# Altium PCB ISS_LAB_PCB.PcbDoc (part 7 of 8)
Units mm, origin at the board's own origin, x right, y up, seen from the top; angles counter-clockwise.
Board outline 247.67 x 135.97 mm, 2 copper layers (Top Layer, Bottom Layer); 165 components, 0 nets, 6045 pads, 3214 vias.
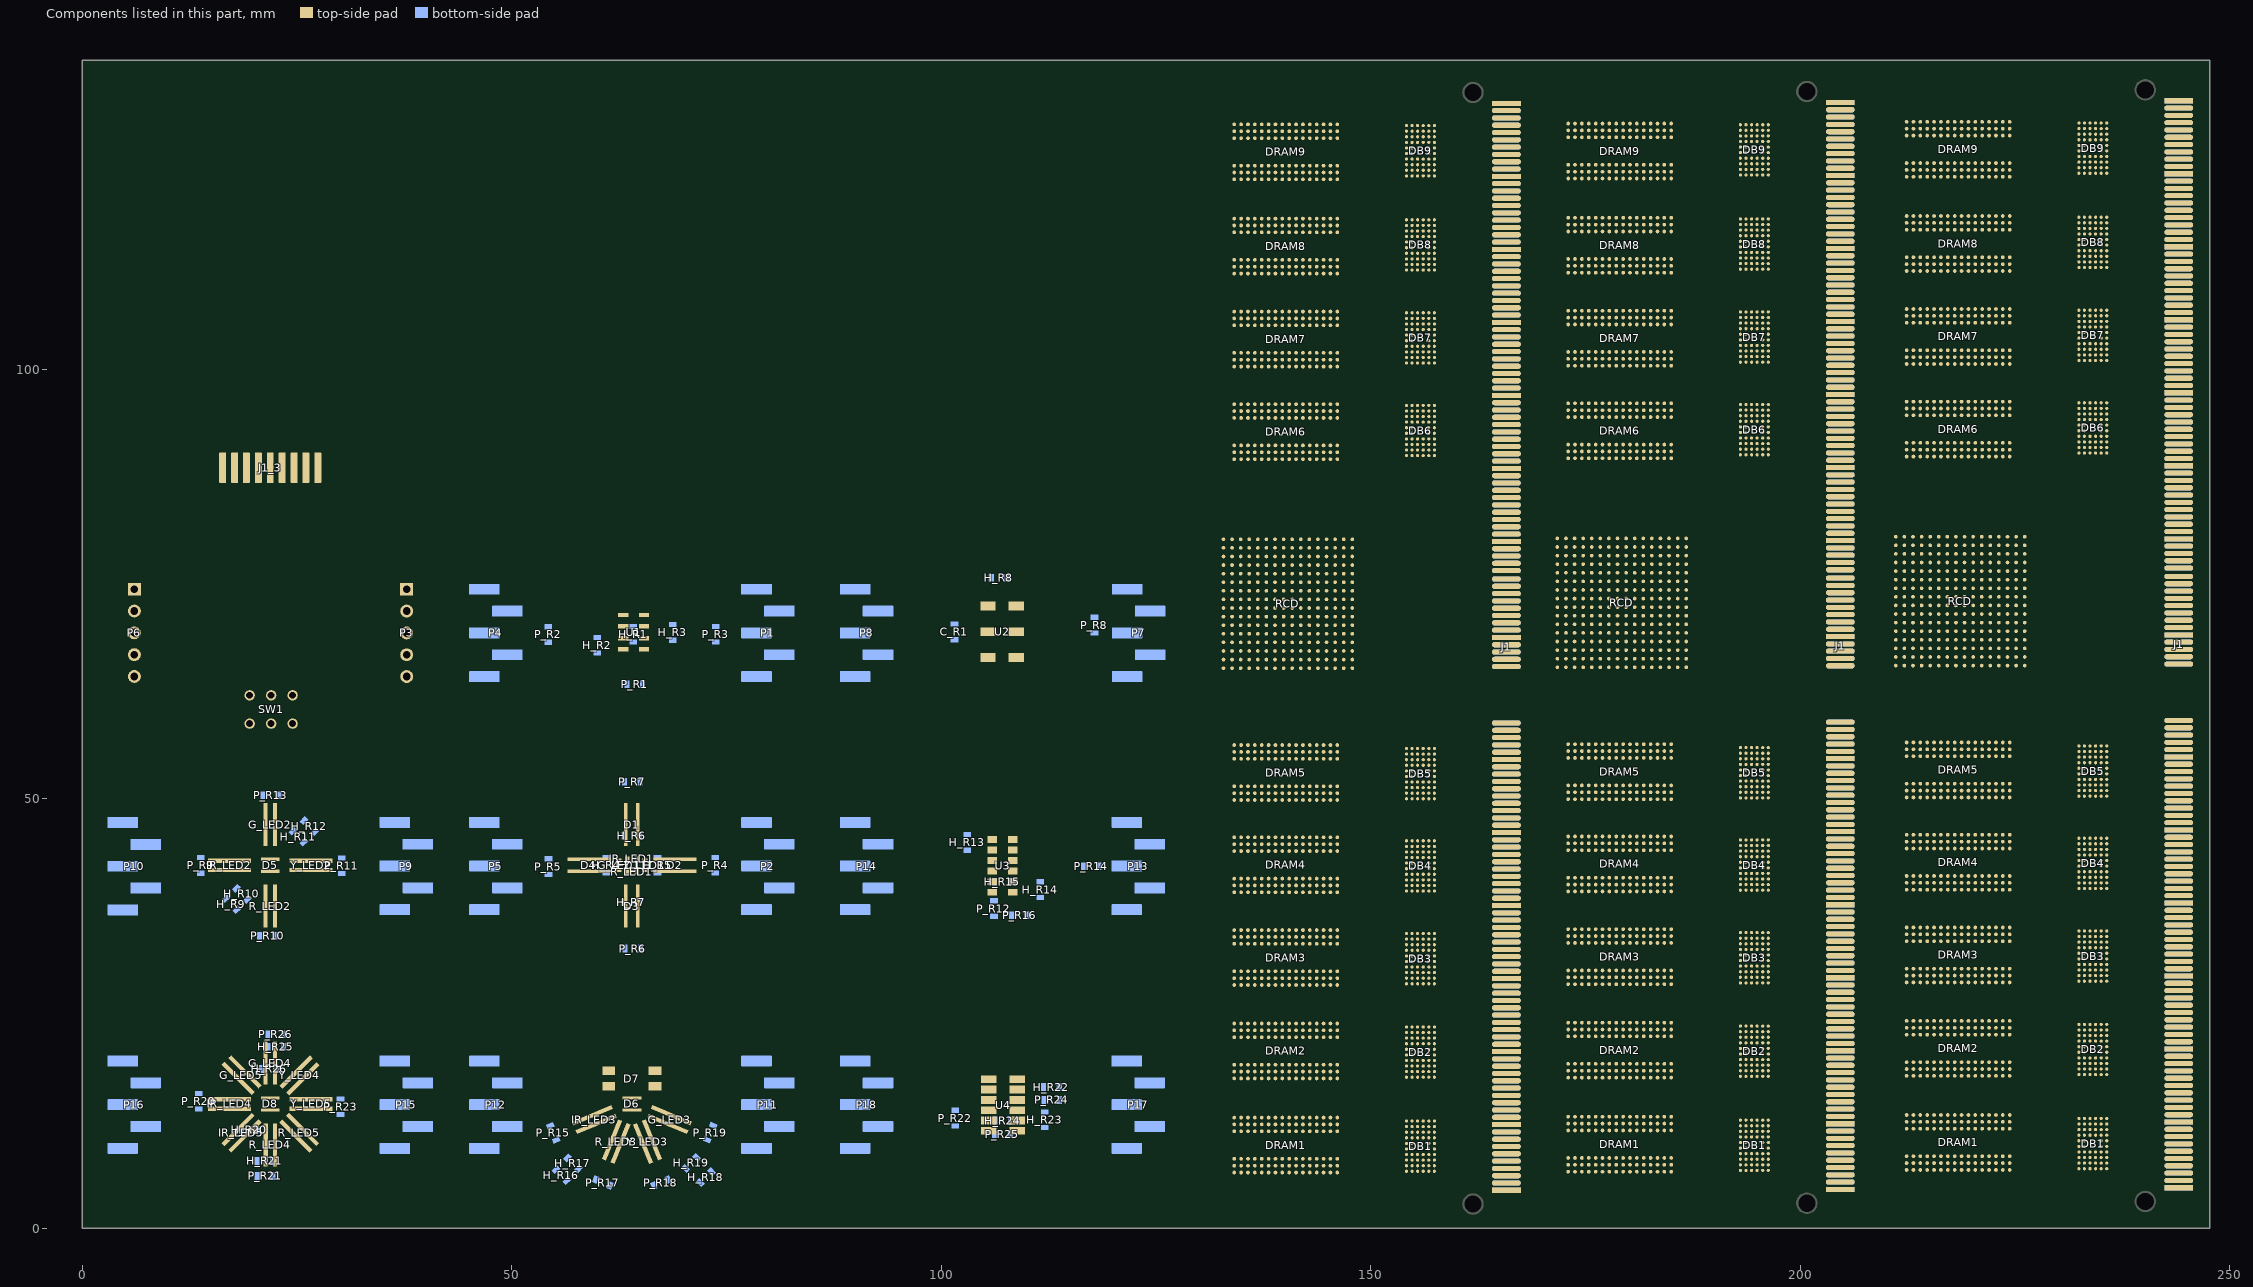
[diagram p7: the components of this part, seen from the top]

## Via types
v1: diameter 0.45, hole 0.203, Top Layer to Bottom Layer, 2685 vias
v2: diameter 1, hole 0.6, Top Layer to Bottom Layer, tented both sides, 414 vias
v3: diameter 0.6, hole 0.3, Top Layer to Bottom Layer, 52 vias
v4: diameter 0.6, hole 0.3, Top Layer to Bottom Layer, tented top, 33 vias
v5: diameter 0.8, hole 0.4, Top Layer to Bottom Layer, 21 vias
v6: diameter 3.5, hole 3.1, Top Layer to Bottom Layer, 3 vias
v7: diameter 2, hole 1.6, Top Layer to Bottom Layer, 3 vias
v8: diameter 1, hole 0.5, Top Layer to Bottom Layer, 3 vias

## Nets (pads, with @x,y where several pads share a name; then routed paths per layer and width w, separated by ;. In a path a pad name is that pad's centre, name@x,y a point inside that pad or via, vN(x,y) a via of type N, cw(c..) or ccw(c..) an arc to the next point about the centre after c; other vN are vias at no path point) (continued)
copper on no net: (continued)
  Bottom Layer w0.089: v1(135.292,48.596) 135.292,53.194 135.673,53.575 135.673,56.673 136.054,57.054 136.054,69.373 v1(138.416,71.736) 138.403,71.748 138.403,72.002 134.997,75.409 134.997,87.976 v1(135.342,88.322) ; v1(138.898,91.827) 138.899,88.091 138.451,87.644 138.451,80.743 139.356,79.838 v1(139.356,76.689) ; v1(138.924,52.152) 138.924,54.186 139.381,54.643 v1(139.381,68.713) ; v1(139.33,48.596) 140.397,49.663 v1(140.397,68.688) ; v1(139.33,88.322) 139.33,82.48 140.397,81.413 v1(140.397,76.714) ; v1(142.124,5.721) v1(142.124,16.668) 142.216,16.76 142.216,19.804 142.14,19.881 142.14,27.448 v1(142.099,27.489) 142.241,27.631 142.241,32.606 142.124,32.723 v1(142.124,38.309) 142.106,38.328 142.106,49.047 v1(142.099,49.053) 142.267,49.221 142.267,53.862 142.134,53.995 142.134,71.441 v1(142.378,71.685) 141.819,72.244 141.819,87.915 142.15,88.246 142.15,88.754 v1(142.124,88.779) 142.124,88.804 142.896,89.576 142.896,91.839 142.902,91.844 142.902,98.72 v1(142.124,99.498) 142.937,100.311 142.937,109.531 142.15,110.318 v1(142.124,110.318) 142.785,110.979 142.785,120.631 v1(142.124,121.291) ; v1(142.353,72.701) 142.353,73.058 149.752,80.458 149.756,80.458 154.282,84.983 165.737,84.983 165.797,85.043 ; v1(143.369,74.707) 143.369,75.192 153.376,85.199 159.881,85.199 160.574,85.893 165.797,85.893 ; v1(145.375,70.72) 146.341,71.685 149.541,71.685 155.249,77.393 165.797,77.393 ; v1(145.375,72.675) 145.782,73.082 146.772,73.082 147.357,73.666 148.119,73.666 155.246,80.793 165.797,80.793 ; v1(145.375,73.666) 145.729,73.666 149.651,77.588 149.756,77.588 154.662,82.493 165.797,82.493 ; v1(145.375,74.682) 145.375,74.961 154.607,84.193 165.797,84.193 ; v1(145.401,71.71) 146.305,72.615 148.667,72.615 155.145,79.093 165.797,79.093 ; v1(147.331,70.669) 148.195,71.532 150.176,71.532 155.187,76.543 165.797,76.543 ; v1(148.449,77.425) 154.367,83.343 165.797,83.343 ; v1(148.525,75.444) 148.63,75.444 154.829,81.643 165.797,81.643 ; v1(148.576,72.218) 154.601,78.243 165.797,78.243 ; v1(148.576,73.641) 148.576,73.693 154.826,79.943 165.797,79.943 ; v1(158.177,44.735) 159.422,43.491 165.786,43.491 165.797,43.502 ; v1(158.253,55.48) 159.178,54.555 165.794,54.555 165.797,54.552 ; v1(158.355,95.459) 160.271,93.543 165.797,93.543 ; v1(158.355,106.203) 159.965,104.593 165.797,104.593 ; v1(158.355,117.024) 159.736,115.643 165.797,115.643 ; v1(158.38,23.069) 160.047,21.402 165.797,21.402 ; v1(158.431,128.022) 159.76,126.693 165.797,126.693 ; v1(158.456,12.122) 160.226,10.352 165.797,10.352 ; v1(158.456,34.22) 160.224,32.452 165.797,32.452 ; v1(159.091,49.028) 159.517,48.602 165.797,48.602 ; v1(159.117,50.222) 159.887,49.452 165.797,49.452 ; v1(159.142,51.568) 160.408,50.302 165.797,50.302 ; v1(159.142,52.838) 160.828,51.152 165.797,51.152 ; v1(159.193,123.933) 160.683,122.443 165.797,122.443 ; v1(159.193,125.228) 159.193,125.201 161.101,123.293 165.797,123.293 ; v1(159.244,121.342) 159.843,120.743 165.797,120.743 ; v1(159.244,122.612) 160.263,121.593 165.797,121.593 ; v1(159.345,38.004) 159.798,37.552 165.797,37.552 ; v1(159.345,110.242) 159.894,109.693 165.797,109.693 ; v1(159.345,112.833) 160.785,111.393 165.797,111.393 ; v1(159.371,111.537) 160.365,110.543 165.797,110.543 ; v1(159.371,114.128) 160.041,113.458 160.041,113.456 160.273,113.224 160.275,113.224 161.256,112.243 165.797,112.243 ; v1(159.396,39.173) 160.167,38.402 165.797,38.402 ; v1(159.422,29.622) 159.422,29.572 160.793,28.2 165.795,28.2 165.797,28.202 ; v1(159.422,30.994) 161.364,29.052 165.797,29.052 ; v1(159.422,40.494) 160.663,39.252 165.797,39.252 ; v1(159.422,41.764) 161.083,40.102 165.797,40.102 ; v1(159.447,91.141) 161.295,89.293 165.797,89.293 ; v1(159.447,99.295) 160.099,98.643 165.797,98.643 ; v1(159.447,100.615) 160.569,99.493 165.797,99.493 ; v1(159.447,101.936) 161.04,100.343 165.797,100.343 ; v1(159.472,28.276) 160.397,27.352 165.797,27.352 ; v1(159.472,89.82) 160.85,88.443 165.797,88.443 ; v1(159.472,103.232) 161.511,101.193 165.797,101.193 ; v1(159.498,27.057) 160.053,26.502 165.797,26.502 ; v1(159.498,88.5) 160.404,87.593 165.797,87.593 ; v1@159.625,92.284 161.766,90.143 165.797,90.143 ; v1(159.701,4.959) 160.258,4.402 165.797,4.402 ; v1(159.701,6.356) 160.805,5.252 165.797,5.252 ; v1(159.701,7.626) 161.225,6.102 165.797,6.102 ; v1(159.701,8.896) 161.645,6.952 165.797,6.952 ; v1(159.701,19.843) 161.542,18.002 165.797,18.002 ; v1(159.726,15.906) 160.181,15.452 165.797,15.452 ; v1(159.726,17.176) 159.777,17.176 160.652,16.302 165.797,16.302 ; v1(159.726,18.497) 159.777,18.497 161.123,17.151 165.796,17.151 165.797,17.152 ; v1(160.285,124.669) 161.479,124.669 162.005,124.143 165.797,124.143 ; v1(160.285,125.33) 162.038,125.33 162.419,124.949 165.752,124.949 165.797,124.993 ; v1(160.438,113.62) 161.631,113.62 162.159,113.093 165.797,113.093 ; v1(160.438,114.255) 162.19,114.255 162.546,113.9 165.754,113.9 165.797,113.943 ; v1(160.692,102.597) 161.555,102.597 162.114,102.038 165.792,102.038 165.797,102.043 ; v1(160.717,52.559) 161.581,52.559 162.165,51.974 165.769,51.974 165.797,52.002 ; v1(160.717,103.308) 160.732,103.323 162.177,103.323 162.598,102.901 165.789,102.901 165.797,102.893 ; v1(160.742,53.27) 162.571,53.27 163.003,52.838 165.783,52.838 165.797,52.852 ; v1(160.742,104.044) 161.782,104.044 161.874,104.136 162.202,104.136 162.434,103.904 162.434,103.877 162.568,103.743 165.797,103.743 ; v1(160.869,91.7) 161.633,91.7 162.34,90.993 165.797,90.993 ; v1(160.869,92.31) 162.471,92.31 162.954,91.827 165.781,91.827 165.797,91.843 ; v1(161.2,41.433) 161.938,41.433 162.421,40.951 165.796,40.951 165.797,40.952 ; v1@161.225,42.145 162.724,42.145 163.079,41.789 165.784,41.789 165.797,41.802 ; v1(161.403,30.13) 161.52,30.247 162.227,30.247 162.598,29.876 165.771,29.876 165.797,29.902 ; v1(161.403,31.121) 161.418,31.136 162.812,31.136 163.208,30.74 165.785,30.74 165.797,30.752 ; v1(161.403,126.295) 161.987,126.295 162.444,125.838 165.791,125.838 165.797,125.843 ; v1(161.428,127.997) 162.012,127.997 162.495,127.514 165.768,127.514 165.797,127.543 ; v1(161.479,19.97) 161.571,20.062 162.939,20.062 163.31,19.691 165.786,19.691 165.797,19.702 ; v1(161.504,19.285) 162.343,19.285 162.775,18.852 165.797,18.852 ; v1(161.504,105.873) 162.167,105.873 162.624,105.416 165.77,105.416 165.797,105.443 ; v1(161.53,115.246) 162.241,115.246 162.698,114.789 165.793,114.789 165.797,114.793 ; v1(161.53,117.049) 162.063,117.049 162.619,116.493 165.797,116.493 ; v1(161.555,54.159) 162.522,54.159 162.979,53.702 165.797,53.702 ; v1(161.555,55.911) 162.497,55.911 163.006,55.402 165.797,55.402 ; v1(161.606,8.261) 162.622,8.261 163.105,7.778 165.773,7.778 165.797,7.802 ; v1(161.606,9.023) 161.621,9.038 163.04,9.038 163.437,8.642 165.787,8.642 165.797,8.652 ; v1(161.758,94.697) 161.825,94.763 162.532,94.763 162.929,94.367 165.771,94.367 165.797,94.393 ; v1(161.784,93.199) 162.571,93.199 163.079,92.691 165.795,92.691 165.797,92.693 ; v1(161.86,42.907) 161.952,42.998 162.708,42.998 163.079,42.627 165.772,42.627 165.797,42.652 ; v1(161.86,45.142) 162.317,45.142 163.155,44.304 165.749,44.304 165.797,44.352 ; v1(162.089,32.01) 162.104,32.025 162.786,32.025 163.21,31.602 165.797,31.602 ; v1(162.089,33.763) 162.725,33.763 163.186,33.302 165.797,33.302 ; v1(162.165,20.936) 162.903,20.936 163.36,20.478 165.723,20.478 165.797,20.552 ; v1(162.165,22.663) 162.954,22.663 163.386,22.231 165.776,22.231 165.797,22.252 ; v1(162.343,11.512) 162.409,11.578 163.015,11.578 163.391,11.202 165.797,11.202 ; v1(162.368,9.912) 162.451,9.995 163.047,9.995 163.511,9.531 165.768,9.531 165.797,9.502 ; v1(162.368,12.452) 163.005,12.452 163.405,12.052 165.797,12.052 ; v1(162.673,129.038) 163.318,128.393 165.797,128.393 ; v1(162.749,117.887) 163.293,117.343 165.797,117.343 ; v1(162.901,56.902) 163.551,56.252 165.797,56.252 ; v1(162.952,106.864) 163.523,106.293 165.797,106.293 ; v1(163.028,95.891) 163.676,95.243 165.797,95.243 ; v1(163.079,45.828) 163.705,45.202 165.797,45.202 ; v1(163.232,34.804) 163.884,34.152 165.797,34.152 ; v1(163.257,23.679) 163.834,23.102 165.797,23.102 ; v1(174.165,48.696) 174.165,53.294 174.546,53.675 174.546,56.773 174.927,57.154 174.927,69.473 v1(177.289,71.836) 177.276,71.848 177.276,72.102 173.87,75.509 173.87,88.076 v1(174.215,88.422) ; v1(177.771,91.927) 177.772,88.191 177.324,87.744 177.324,80.843 178.229,79.938 v1(178.229,76.789) ; v1(177.797,52.252) 177.797,54.286 178.254,54.743 v1(178.254,68.813) ; v1(178.203,48.696) 179.27,49.763 v1(179.27,68.788) ; v1(178.203,88.422) 178.203,82.58 179.27,81.513 v1(179.27,76.814) ; v1(180.997,5.821) v1(180.997,16.768) 181.089,16.86 181.089,19.904 181.013,19.981 181.013,27.548 v1(180.972,27.589) 181.114,27.731 181.114,32.706 180.997,32.823 v1(180.997,38.409) 180.979,38.428 180.979,49.147 v1(180.972,49.153) 181.14,49.321 181.14,53.962 181.007,54.095 181.007,71.541 v1(181.251,71.785) 180.692,72.344 180.692,88.015 181.023,88.346 181.023,88.854 v1(180.997,88.879) 180.997,88.904 181.769,89.676 181.769,91.939 181.775,91.944 181.775,98.82 v1(180.997,99.598) 181.81,100.411 181.81,109.631 181.023,110.418 v1(180.997,110.418) 181.658,111.079 181.658,120.731 v1(180.997,121.391) ; v1(181.226,72.801) 181.226,73.158 188.625,80.558 188.629,80.558 193.155,85.083 204.61,85.083 204.67,85.143 ; v1(182.242,74.807) 182.242,75.292 192.249,85.299 198.754,85.299 199.447,85.993 204.67,85.993 ; v1(184.248,70.82) 185.214,71.785 188.414,71.785 194.122,77.493 204.67,77.493 ; v1(184.248,72.775) 184.655,73.182 185.645,73.182 186.23,73.766 186.992,73.766 194.119,80.893 204.67,80.893 ; v1(184.248,73.766) 184.602,73.766 188.524,77.688 188.629,77.688 193.535,82.593 204.67,82.593 ; v1(184.248,74.782) 184.248,75.061 193.48,84.293 204.67,84.293 ; v1(184.274,71.81) 185.178,72.715 187.54,72.715 194.018,79.193 204.67,79.193 ; v1(186.204,70.769) 187.068,71.632 189.049,71.632 194.06,76.643 204.67,76.643 ; v1(187.322,77.525) 193.24,83.443 204.67,83.443 ; v1(187.398,75.544) 187.503,75.544 193.702,81.743 204.67,81.743 ; v1(187.449,72.318) 193.474,78.343 204.67,78.343 ; v1(187.449,73.741) 187.449,73.793 193.699,80.043 204.67,80.043 ; v1(197.05,44.835) 198.295,43.591 204.659,43.591 204.67,43.602 ; v1(197.126,55.58) 198.051,54.655 204.667,54.655 204.67,54.652 ; v1(197.228,95.559) 199.144,93.643 204.67,93.643 ; v1(197.228,106.303) 198.838,104.693 204.67,104.693 ; v1(197.228,117.124) 198.609,115.743 204.67,115.743 ; v1(197.253,23.169) 198.92,21.502 204.67,21.502 ; v1(197.304,128.122) 198.633,126.793 204.67,126.793 ; v1(197.329,12.222) 199.099,10.452 204.67,10.452 ; v1(197.329,34.32) 199.097,32.552 204.67,32.552 ; v1(197.964,49.128) 198.39,48.702 204.67,48.702 ; v1(197.99,50.322) 198.76,49.552 204.67,49.552 ; v1(198.015,51.668) 199.281,50.402 204.67,50.402 ; v1(198.015,52.938) 199.701,51.252 204.67,51.252 ; v1(198.066,124.033) 199.556,122.543 204.67,122.543 ; v1(198.066,125.328) 198.066,125.301 199.974,123.393 204.67,123.393 ; v1(198.117,121.442) 198.716,120.843 204.67,120.843 ; v1(198.117,122.712) 199.136,121.693 204.67,121.693 ; v1(198.218,38.104) 198.671,37.652 204.67,37.652 ; v1(198.218,110.342) 198.767,109.793 204.67,109.793 ; v1(198.218,112.933) 199.658,111.493 204.67,111.493 ; v1(198.244,111.637) 199.238,110.643 204.67,110.643 ; v1(198.244,114.228) 198.914,113.558 198.914,113.556 199.146,113.324 199.148,113.324 200.129,112.343 204.67,112.343 ; v1(198.269,39.273) 199.04,38.502 204.67,38.502 ; v1(198.295,29.722) 198.295,29.672 199.666,28.3 204.668,28.3 204.67,28.302 ; v1(198.295,31.094) 200.237,29.152 204.67,29.152 ; v1(198.295,40.594) 199.536,39.352 204.67,39.352 ; v1(198.295,41.864) 199.956,40.202 204.67,40.202 ; v1(198.32,91.241) 200.168,89.393 204.67,89.393 ; v1(198.32,99.395) 198.972,98.743 204.67,98.743 ; v1(198.32,100.715) 199.442,99.593 204.67,99.593 ; v1(198.32,102.036) 199.913,100.443 204.67,100.443 ; v1(198.345,28.376) 199.27,27.452 204.67,27.452 ; v1(198.345,89.92) 199.723,88.543 204.67,88.543 ; v1(198.345,103.332) 200.384,101.293 204.67,101.293 ; v1(198.371,27.157) 198.926,26.602 204.67,26.602 ; v1(198.371,88.6) 199.277,87.693 204.67,87.693 ; v1@198.498,92.384 200.639,90.243 204.67,90.243 ; v1(198.574,5.059) 199.131,4.502 204.67,4.502 ; v1(198.574,6.456) 199.678,5.352 204.67,5.352 ; v1(198.574,7.726) 200.098,6.202 204.67,6.202 ; v1(198.574,8.996) 200.518,7.052 204.67,7.052 ; v1(198.574,19.943) 200.415,18.102 204.67,18.102 ; v1(198.599,16.006) 199.054,15.552 204.67,15.552 ; v1(198.599,17.276) 198.65,17.276 199.525,16.402 204.67,16.402 ; v1(198.599,18.597) 198.65,18.597 199.996,17.251 204.669,17.251 204.67,17.252 ; v1(199.158,124.769) 200.352,124.769 200.878,124.243 204.67,124.243 ; v1(199.158,125.43) 200.911,125.43 201.292,125.049 204.625,125.049 204.67,125.093 ; v1(199.311,113.72) 200.504,113.72 201.032,113.193 204.67,113.193 ; v1(199.311,114.355) 201.063,114.355 201.419,114 204.627,114 204.67,114.043 ; v1(199.565,102.697) 200.428,102.697 200.987,102.138 204.665,102.138 204.67,102.143 ; v1(199.59,52.659) 200.454,52.659 201.038,52.074 204.642,52.074 204.67,52.102 ; v1(199.59,103.408) 199.605,103.423 201.05,103.423 201.471,103.001 204.662,103.001 204.67,102.993 ; v1(199.615,53.37) 201.444,53.37 201.876,52.938 204.656,52.938 204.67,52.952 ; v1(199.615,104.144) 200.655,104.144 200.747,104.236 201.075,104.236 201.307,104.004 201.307,103.977 201.441,103.843 204.67,103.843 ; v1(199.742,91.8) 200.506,91.8 201.213,91.093 204.67,91.093 ; v1(199.742,92.41) 201.344,92.41 201.827,91.927 204.654,91.927 204.67,91.943 ; v1(200.073,41.533) 200.811,41.533 201.294,41.051 204.669,41.051 204.67,41.052 ; v1@200.098,42.245 201.597,42.245 201.952,41.889 204.657,41.889 204.67,41.902 ; v1(200.276,30.23) 200.393,30.347 201.1,30.347 201.471,29.976 204.644,29.976 204.67,30.002 ; v1(200.276,31.221) 200.291,31.236 201.685,31.236 202.081,30.84 204.658,30.84 204.67,30.852 ; v1(200.276,126.395) 200.86,126.395 201.317,125.938 204.664,125.938 204.67,125.943 ; v1(200.301,128.097) 200.885,128.097 201.368,127.614 204.641,127.614 204.67,127.643 ; v1(200.352,20.07) 200.444,20.162 201.812,20.162 202.183,19.791 204.659,19.791 204.67,19.802 ; v1(200.377,19.385) 201.216,19.385 201.648,18.952 204.67,18.952 ; v1(200.377,105.973) 201.04,105.973 201.497,105.516 204.643,105.516 204.67,105.543 ; v1(200.403,115.346) 201.114,115.346 201.571,114.889 204.666,114.889 204.67,114.893 ; v1(200.403,117.149) 200.936,117.149 201.492,116.593 204.67,116.593 ; v1(200.428,54.259) 201.395,54.259 201.852,53.802 204.67,53.802 ; v1(200.428,56.011) 201.37,56.011 201.879,55.502 204.67,55.502 ; v1(200.479,8.361) 201.495,8.361 201.978,7.878 204.646,7.878 204.67,7.902 ; v1(200.479,9.123) 200.494,9.138 201.913,9.138 202.31,8.742 204.66,8.742 204.67,8.752 ; v1(200.631,94.797) 200.698,94.863 201.405,94.863 201.802,94.467 204.644,94.467 204.67,94.493 ; v1(200.657,93.299) 201.444,93.299 201.952,92.791 204.668,92.791 204.67,92.793 ; v1(200.733,43.007) 200.825,43.098 201.581,43.098 201.952,42.727 204.645,42.727 204.67,42.752 ; v1(200.733,45.242) 201.19,45.242 202.028,44.404 204.622,44.404 204.67,44.452 ; v1(200.962,32.11) 200.977,32.125 201.659,32.125 202.083,31.702 204.67,31.702 ; v1(200.962,33.863) 201.598,33.863 202.059,33.402 204.67,33.402 ; v1(201.038,21.036) 201.776,21.036 202.233,20.578 204.596,20.578 204.67,20.652 ; v1(201.038,22.763) 201.827,22.763 202.259,22.331 204.649,22.331 204.67,22.352 ; v1(201.216,11.612) 201.282,11.678 201.888,11.678 202.264,11.302 204.67,11.302 ; v1(201.241,10.012) 201.324,10.095 201.92,10.095 202.384,9.631 204.641,9.631 204.67,9.602 ; v1(201.241,12.552) 201.878,12.552 202.278,12.152 204.67,12.152 ; v1(201.546,129.138) 202.191,128.493 204.67,128.493 ; v1(201.622,117.987) 202.166,117.443 204.67,117.443 ; v1(201.774,57.002) 202.424,56.352 204.67,56.352 ; v1(201.825,106.964) 202.396,106.393 204.67,106.393 ; v1(201.901,95.991) 202.549,95.343 204.67,95.343 ; v1(201.952,45.928) 202.578,45.302 204.67,45.302 ; v1(202.105,34.904) 202.757,34.252 204.67,34.252 ; v1(202.13,23.779) 202.707,23.202 204.67,23.202 ; v1(213.565,48.896) 213.565,53.494 213.946,53.875 213.946,56.973 214.327,57.354 214.327,69.673 v1(216.689,72.036) 216.676,72.048 216.676,72.302 213.27,75.709 213.27,88.276 v1(213.615,88.622) ; v1(217.171,92.127) 217.172,88.391 216.724,87.944 216.724,81.043 217.629,80.138 v1(217.629,76.989) ; v1(217.197,52.452) 217.197,54.486 217.654,54.943 v1(217.654,69.013) ; v1(217.603,48.896) 218.67,49.963 v1(218.67,68.988) ; v1(217.603,88.622) 217.603,82.78 218.67,81.713 v1(218.67,77.014) ; v1(220.397,6.021) v1(220.397,16.968) 220.489,17.06 220.489,20.104 220.413,20.181 220.413,27.748 v1(220.372,27.789) 220.514,27.931 220.514,32.906 220.397,33.023 v1(220.397,38.609) 220.379,38.628 220.379,49.347 v1(220.372,49.353) 220.54,49.521 220.54,54.162 220.407,54.295 220.407,71.741 v1(220.651,71.985) 220.092,72.544 220.092,88.215 220.423,88.546 220.423,89.054 v1(220.397,89.079) 220.397,89.104 221.169,89.876 221.169,92.139 221.175,92.144 221.175,99.02 v1(220.397,99.798) 221.21,100.611 221.21,109.831 220.423,110.618 v1(220.397,110.618) 221.058,111.279 221.058,120.931 v1(220.397,121.591) ; v1(220.626,73.001) 220.626,73.358 228.025,80.758 228.029,80.758 232.555,85.283 244.01,85.283 244.07,85.343 ; v1(221.642,75.007) 221.642,75.492 231.649,85.499 238.154,85.499 238.847,86.193 244.07,86.193 ; v1(223.648,71.02) 224.614,71.985 227.814,71.985 233.522,77.693 244.07,77.693 ; v1(223.648,72.975) 224.055,73.382 225.045,73.382 225.63,73.966 226.392,73.966 233.519,81.093 244.07,81.093 ; v1(223.648,73.966) 224.002,73.966 227.924,77.888 228.029,77.888 232.935,82.793 244.07,82.793 ; v1(223.648,74.982) 223.648,75.261 232.88,84.493 244.07,84.493 ; v1(223.674,72.01) 224.578,72.915 226.94,72.915 233.418,79.393 244.07,79.393 ; v1(225.604,70.969) 226.468,71.832 228.449,71.832 233.46,76.843 244.07,76.843 ; v1(226.722,77.725) 232.64,83.643 244.07,83.643 ; v1(226.798,75.744) 226.903,75.744 233.102,81.943 244.07,81.943 ; v1(226.849,72.518) 232.874,78.543 244.07,78.543 ; v1(226.849,73.941) 226.849,73.993 233.099,80.243 244.07,80.243 ; v1(236.45,45.035) 237.695,43.791 244.059,43.791 244.07,43.802 ; v1(236.526,55.78) 237.451,54.855 244.067,54.855 244.07,54.852 ; v1(236.628,95.759) 238.544,93.843 244.07,93.843 ; v1(236.628,106.503) 238.238,104.893 244.07,104.893 ; v1(236.628,117.324) 238.009,115.943 244.07,115.943 ; v1(236.653,23.369) 238.32,21.702 244.07,21.702 ; v1(236.704,128.322) 238.033,126.993 244.07,126.993 ; v1(236.729,12.422) 238.499,10.652 244.07,10.652 ; v1(236.729,34.52) 238.497,32.752 244.07,32.752 ; v1(237.364,49.328) 237.79,48.902 244.07,48.902 ; v1(237.39,50.522) 238.16,49.752 244.07,49.752 ; v1(237.415,51.868) 238.681,50.602 244.07,50.602 ; v1(237.415,53.138) 239.101,51.452 244.07,51.452 ; v1(237.466,124.233) 238.956,122.743 244.07,122.743 ; v1(237.466,125.528) 237.466,125.501 239.374,123.593 244.07,123.593 ; v1(237.517,121.642) 238.116,121.043 244.07,121.043 ; v1(237.517,122.912) 238.536,121.893 244.07,121.893 ; v1(237.618,38.304) 238.071,37.852 244.07,37.852 ; v1(237.618,110.542) 238.167,109.993 244.07,109.993 ; v1(237.618,113.133) 239.058,111.693 244.07,111.693 ; v1(237.644,111.837) 238.638,110.843 244.07,110.843 ; v1(237.644,114.428) 238.314,113.758 238.314,113.756 238.546,113.524 238.548,113.524 239.529,112.543 244.07,112.543 ; v1(237.669,39.473) 238.44,38.702 244.07,38.702 ; v1(237.695,29.922) 237.695,29.872 239.066,28.5 244.068,28.5 244.07,28.502 ; v1(237.695,31.294) 239.637,29.352 244.07,29.352 ; v1(237.695,40.794) 238.936,39.552 244.07,39.552 ; v1(237.695,42.064) 239.356,40.402 244.07,40.402 ; v1(237.72,91.441) 239.568,89.593 244.07,89.593 ; v1(237.72,99.595) 238.372,98.943 244.07,98.943 ; v1(237.72,100.915) 238.842,99.793 244.07,99.793 ; v1(237.72,102.236) 239.313,100.643 244.07,100.643 ; v1(237.745,28.576) 238.67,27.652 244.07,27.652 ; v1(237.745,90.12) 239.123,88.743 244.07,88.743 ; v1(237.745,103.532) 239.784,101.493 244.07,101.493 ; v1(237.771,27.357) 238.326,26.802 244.07,26.802 ; v1(237.771,88.8) 238.677,87.893 244.07,87.893 ; v1@237.898,92.584 240.039,90.443 244.07,90.443 ; v1(237.974,5.259) 238.531,4.702 244.07,4.702 ; v1(237.974,6.656) 239.078,5.552 244.07,5.552 ; v1(237.974,7.926) 